# Altium PCB CHILD_BOARD.PcbDoc (part 1 of 2) (continued)
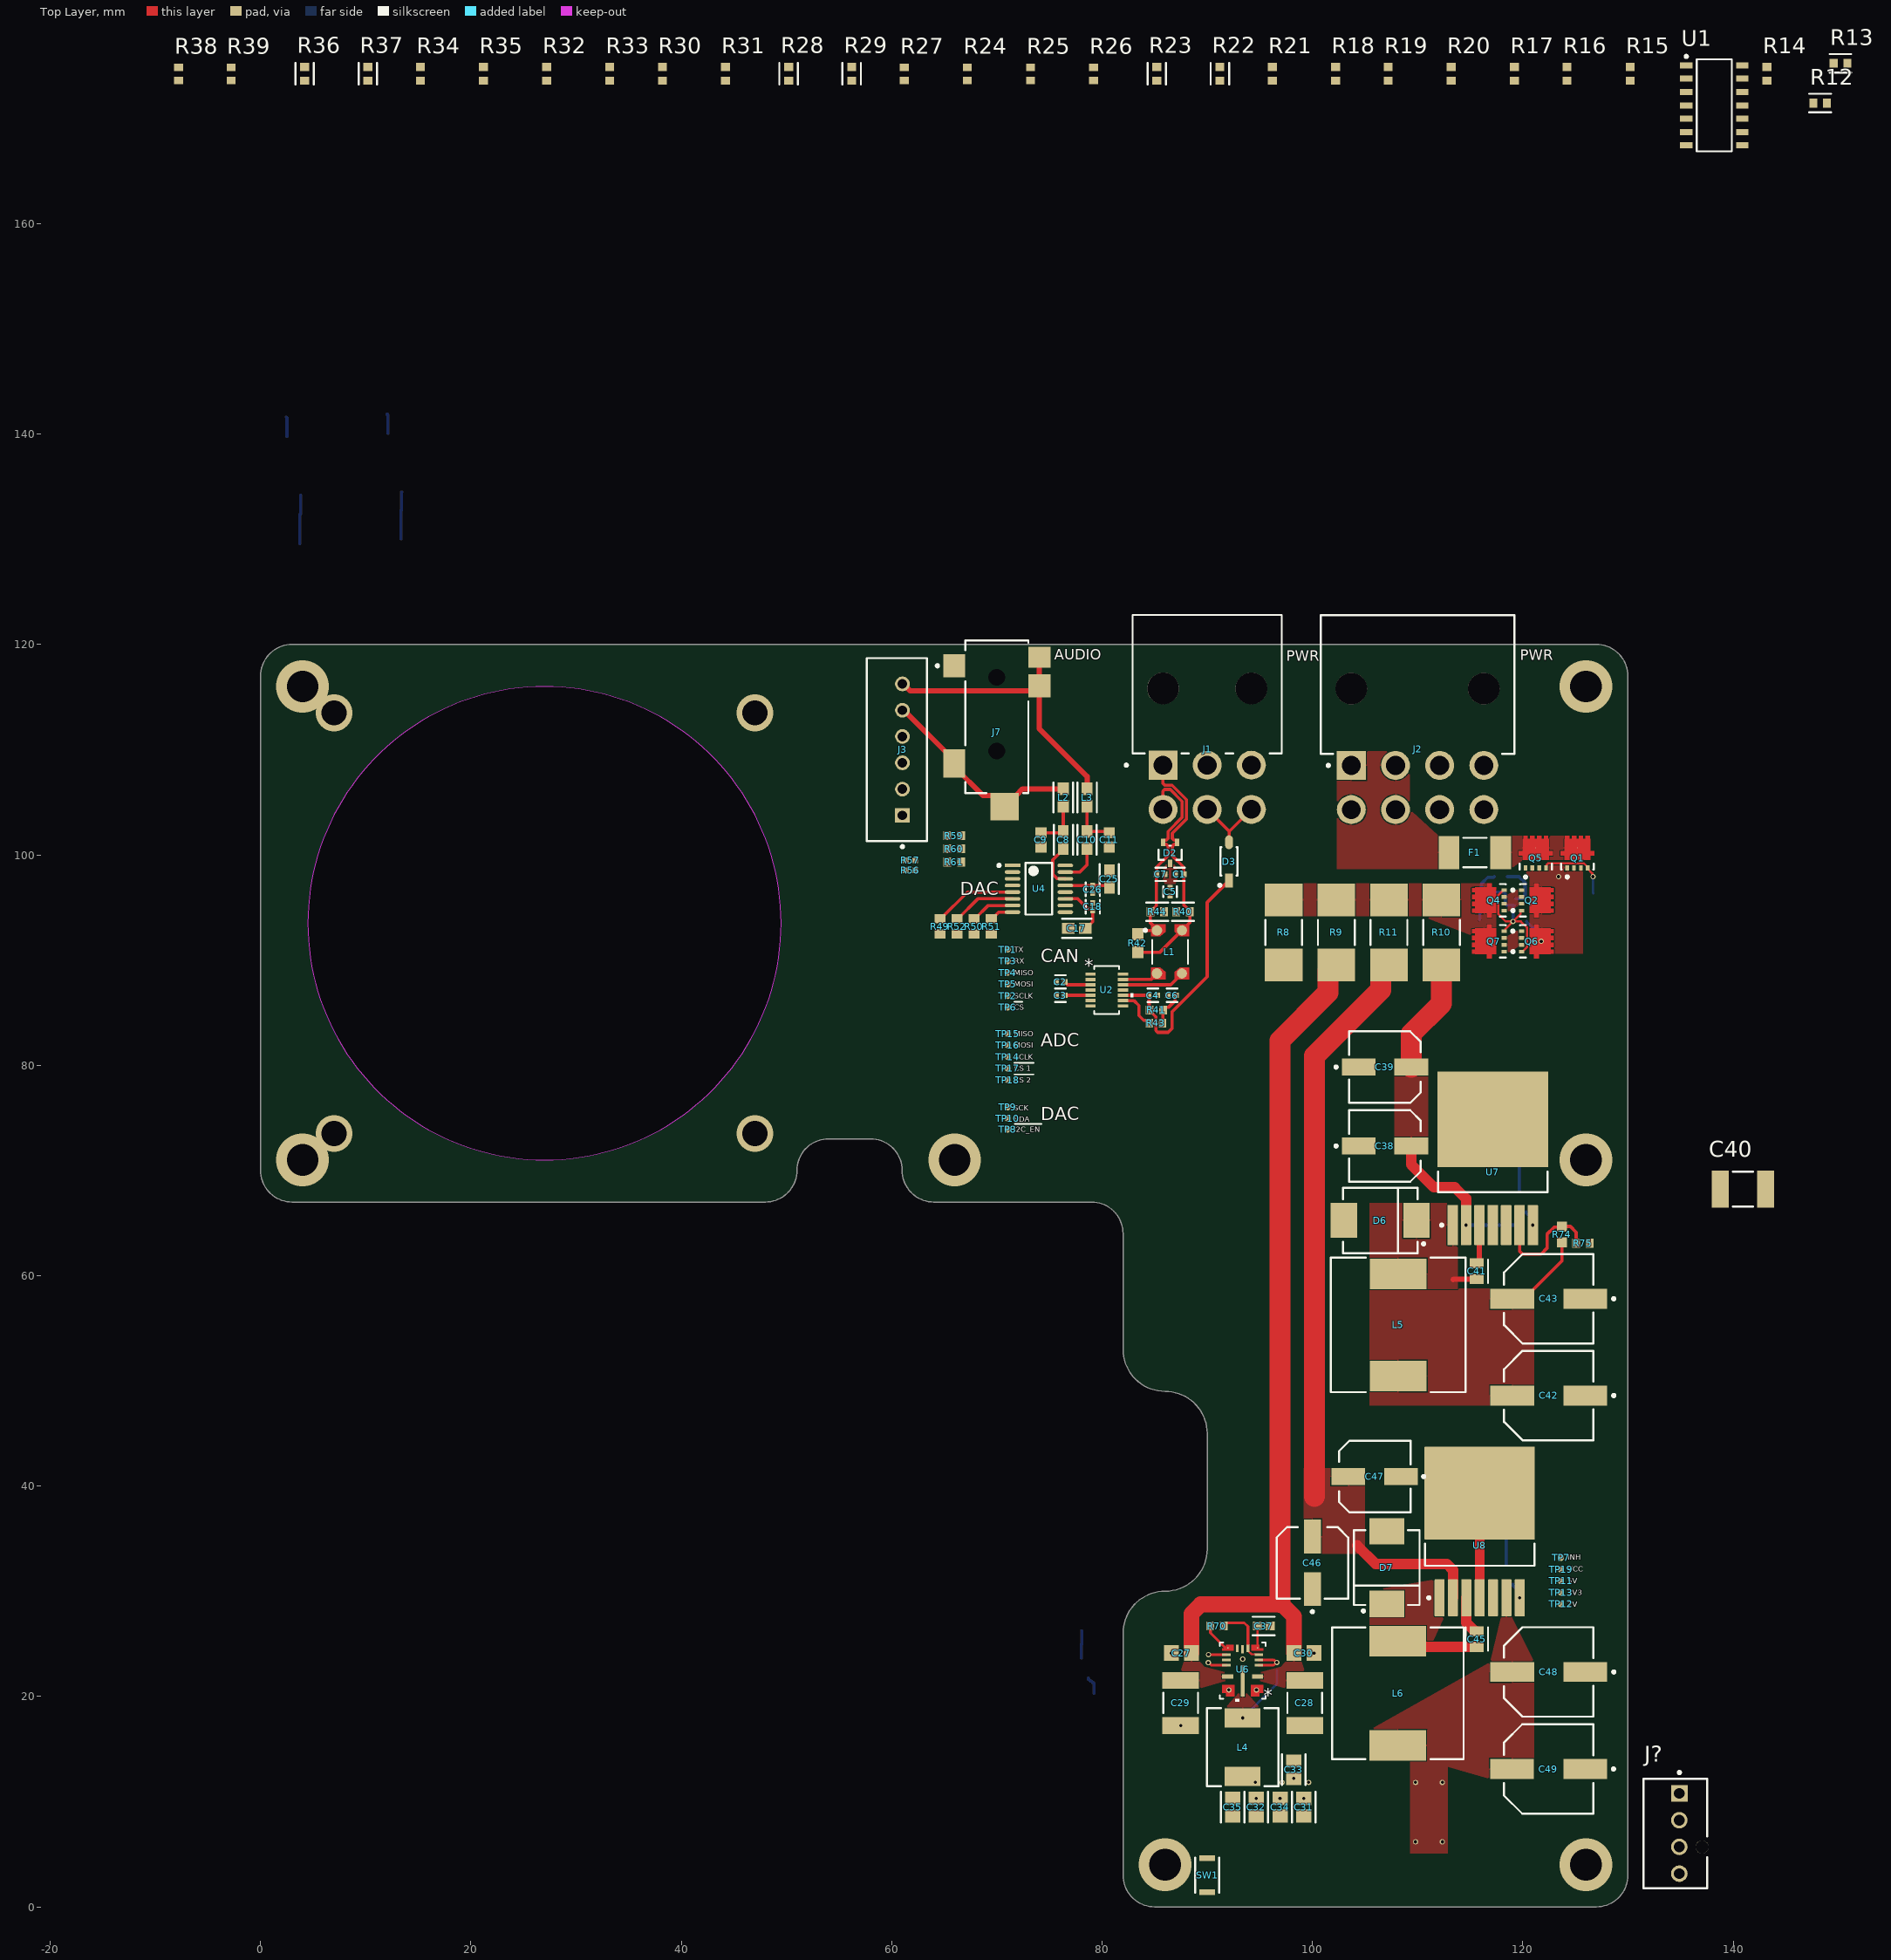
[diagram p0: Top Layer view]
## Components (designator, comment, footprint, x,y, rotation, side; value= is the part's Value field where it differs from the comment) (continued)
R3 "ERJ3EKF1002V" RESC1609X55X30LL15T15 116.525,93.825 r0 bottom
R5 "ERJ3EKF1002V" RESC1609X55X30LL15T15 126.075,96.35 r180 bottom
R6 "ERJ-3EKF1001V" RESC1608X55X30LL15T15 117.925,97.925 r0 bottom
R7 "ERJ3EKF1002V" RESC1609X55X30LL15T15 120.3,97.925 r0 bottom
R8 "MCS3264R010FER" FP-MCS3264-MFG 97.275,92.625 r270 top
R9 "MCS3264R010FER" FP-MCS3264-MFG 102.275,92.625 r270 top
R10 "MCS3264R010FER" FP-MCS3264-MFG 112.275,92.625 r270 top
R11 "MCS3264R010FER" FP-MCS3264-MFG 107.275,92.625 r270 top
R12 "ERJ-3EKF1004V" FP-ERJ3EK-IPC_C 148.275,171.475 r0 top
R13 "ERJ-3EKF1004V" FP-ERJ3EK-IPC_C 150.203,175.249 r0 top
R14 "ERJ3EKF1002V" RESC1609X55X30LL15T15 143.203,174.249 r90 top
R15 "ERJ3EKF1002V" RESC1609X55X30LL15T15 130.203,174.249 r90 top
R16 "ERJ3EKF1002V" RESC1609X55X30LL15T15 124.203,174.249 r90 top
R17 "ERJ3EKF1002V" RESC1609X55X30LL15T15 119.203,174.249 r90 top
R18 "ERJ3EKF1002V" RESC1609X55X30LL15T15 102.203,174.249 r90 top
R19 "ERJ3EKF1002V" RESC1609X55X30LL15T15 107.203,174.249 r90 top
R20 "ERJ3EKF1002V" RESC1609X55X30LL15T15 113.203,174.249 r90 top
R21 "ERJ3EKF1002V" RESC1609X55X30LL15T15 96.203,174.249 r90 top
R22 "ERJ-3EKF1004V" FP-ERJ3EK-IPC_C 91.203,174.249 r90 top
R23 "ERJ-3EKF1004V" FP-ERJ3EK-IPC_C 85.203,174.249 r90 top
R24 "ERJ-3EKF1001V" RESC1608X55X30LL15T15 67.203,174.249 r90 top
R25 "ERJ-3EKF1001V" RESC1608X55X30LL15T15 73.203,174.249 r90 top
R26 "ERJ-3EKF1001V" RESC1608X55X30LL15T15 79.203,174.249 r90 top
R27 "ERJ-3EKF1001V" RESC1608X55X30LL15T15 61.203,174.249 r90 top
R28 "ERJ-3EKF1004V" FP-ERJ3EK-IPC_C 50.203,174.249 r90 top
R29 "ERJ-3EKF1004V" FP-ERJ3EK-IPC_C 56.203,174.249 r90 top
R30 "ERJ3EKF1002V" RESC1609X55X30LL15T15 38.203,174.249 r90 top
R31 "ERJ3EKF1002V" RESC1609X55X30LL15T15 44.203,174.249 r90 top
R32 "ERJ3EKF1002V" RESC1609X55X30LL15T15 27.203,174.249 r90 top
R33 "ERJ3EKF1002V" RESC1609X55X30LL15T15 33.203,174.249 r90 top
R34 "ERJ3EKF1002V" RESC1609X55X30LL15T15 15.203,174.249 r90 top
R35 "ERJ3EKF1002V" RESC1609X55X30LL15T15 21.203,174.249 r90 top
R36 "ERJ-3EKF1004V" FP-ERJ3EK-IPC_C 4.203,174.249 r90 top
R37 "ERJ-3EKF1004V" FP-ERJ3EK-IPC_C 10.203,174.249 r90 top
R38 "ERJ-3EKF1001V" RESC1608X55X30LL15T15 -7.797,174.249 r90 top
R39 "ERJ-3EKF1001V" RESC1608X55X30LL15T15 -2.797,174.249 r90 top
R40 "ERJ-3EKF60R4V" FP-ERJ3EK-IPC_C 87.7,94.6 r180 top
R41 "ERJ3EKF1002V" RESC1609X55X30LL15T15 85.175,85.25 r0 top
R42 "ERJ-3EKF1200V" RESC1609X55X30ML15T15 83.4,91.6 r90 top
R43 "ERJ-3EKF1001V" RESC1608X55X30LL15T15 85.125,84 r0 top
R44 "ERJ-3EKF60R4V" FP-ERJ3EK-IPC_C 85.25,94.6 r180 top
R49 "ERJ-3EKF49R9V" RESC1608X55X30ML15T15 64.596,93.2 r270 top
R50 "ERJ-3EKF49R9V" RESC1608X55X30ML15T15 67.85,93.2 r270 top
R51 "ERJ-3EKF49R9V" RESC1608X55X30ML15T15 69.475,93.2 r270 top
R52 "ERJ-3EKF49R9V" RESC1608X55X30ML15T15 66.225,93.2 r270 top
R56 "0402 JUMPER 0 OHM" RESC1005X40X25NL05T05 61.8,98.525 r180 top
R57 "0402 JUMPER 0 OHM" RESC1005X40X25NL05T05 61.8,99.475 r180 top
R59 "ERJ3EKF1002V" RESC1609X55X30LL15T15 65.95,101.825 r180 top
R60 "ERJ3EKF1002V" RESC1609X55X30LL15T15 65.95,100.575 r180 top
R61 "ERJ3EKF1002V" RESC1609X55X30LL15T15 65.95,99.325 r180 top
R65 "ERJ-3EKF1003V" RESC1608X55X30ML15T15 10.15,149.005 r180 bottom
R66 "ERJ-3EKF1003V" RESC1608X55X30ML15T15 13.1,149.005 r180 bottom
R67 "ERJ3EKF1002V" RESC1609X55X30LL15T15 78.575,20.3 r180 bottom
R68 "ERJ-3EKF1001V" RESC1608X55X30LL15T15 78.7,26.22 r180 bottom
R69 "ERJ3EKF1002V" RESC1609X55X30LL15T15 78.7,24.92 r180 bottom
R70 "ERJ3EKF1002V" RESC1609X55X30LL15T15 90.925,26.7 r0 top
R71 "ERJ3EKF1002V" RESC1609X55X30LL15T15 10.575,151.45 r0 bottom
R72 "ERJ3EKF1002V" RESC1609X55X30LL15T15 12.926,151.447 r180 bottom
R73 "ERJ3EKF1002V" RESC1609X55X30LL15T15 120.31,64.8 r180 bottom
R74 "ERJ-3EKF6801V" RESC1609X55X30NL15T15 123.725,63.925 r270 top
R75 "ERJ3EKF1002V" RESC1609X55X30LL15T15 125.725,63.075 r180 top
R76 "ERJ3EKF1002V" RESC1609X55X30LL15T15 10.85,155.025 r180 bottom
R77 "ERJ3EKF1002V" RESC1609X55X30LL15T15 119.063,29.374 r180 bottom
R78 "ERJ3EKF56R0V" RESC1608X55X30NL15T15 14.025,130.025 r180 bottom
R79 "ERJ3EKF56R0V" RESC1608X55X30NL15T15 4.425,129.6 r180 bottom
R80 "ERJ-3EKF1001V" RESC1608X55X30LL15T15 120.31,70.55 r180 bottom
R81 "ERJ3EKF1002V" RESC1609X55X30LL15T15 120.31,69.25 r180 bottom
R82 "ERJ-3EKF1001V" RESC1608X55X30LL15T15 119.063,35.149 r180 bottom
R83 "ERJ3EKF1002V" RESC1609X55X30LL15T15 119.063,33.824 r180 bottom
R84 "ERT-J1VR103J" RESC1608X90X30ML15T20 -16.175,111.375 r180 bottom
R85 "ERT-J1VR103J" RESC1608X90X30ML15T20 -16.575,107.775 r180 bottom
R86 "ERT-J1VR103J" RESC1608X90X30ML15T20 -16.326,102.878 r180 bottom
R87 "ERJ-3EKF1001V" RESC1608X55X30LL15T15 -12.674,111.397 r180 bottom
R88 "ERJ-3EKF1001V" RESC1608X55X30LL15T15 -13.449,107.847 r180 bottom
R89 "ERJ-3EKF1001V" RESC1608X55X30LL15T15 -13.6,103.05 r180 bottom
R90 "ERT-J1VR103J" RESC1608X90X30ML15T20 -15.075,121.45 r180 bottom
R92 "ERJ-3EKF1001V" RESC1608X55X30LL15T15 -12.55,121.25 r180 bottom
R94 "ERJ3EKF1002V" RESC1609X55X30LL15T15 89.475,24.2 r180 bottom
SW1 "KXT331LHS" FP-KXT331LHS-MFG 90,3 r90 top
TP1 "TPAD6R" TP06R 71.025,91 r90 top
TP2 "TPAD6R" TP06R 71.025,86.6 r90 top
TP3 "TPAD6R" TP06R 71.025,89.9 r90 top
TP4 "TPAD6R" TP06R 71.025,88.8 r90 top
TP5 "TPAD6R" TP06R 71.025,87.7 r90 top
TP6 "TPAD6R" TP06R 71.025,85.5 r90 top
TP7 "TPAD6R" TP06R 123.625,33.175 r90 top
TP8 "TPAD6R" TP06R 71.025,73.9 r180 top
TP9 "TPAD6R" TP06R 71.025,76 r180 top
TP10 "TPAD6R" TP06R 71.025,74.95 r180 top
TP11 "TPAD6R" TP06R 123.625,30.975 r90 top
TP12 "TPAD6R" TP06R 123.625,28.775 r90 top
TP13 "TPAD6R" TP06R 123.625,29.875 r90 top
TP14 "TPAD6R" TP06R 71.025,80.8 r90 top
TP15 "TPAD6R" TP06R 71.025,83 r90 top
TP16 "TPAD6R" TP06R 71.025,81.9 r90 top
TP17 "TPAD6R" TP06R 71.025,79.7 r90 top
TP18 "TPAD6R" TP06R 71.025,78.6 r90 top
TP19 "TPAD6R" TP06R 123.625,32.075 r90 top
U1 "LM324DR2G" ONSC-SOIC-14-751A-03_V 138.203,171.249 r0 top
U2 "TCAN1146DYYRQ1" TCAN1146DYYRQ1-Footprint-1 80.45,87.15 r0 top
U4 "PCM1780DBQR" FP-DBQ0016A-IPC_C 74.002,96.774 r0 top
U6 "LM61495Q5RPHRQ1" LM61495Q5RPHRQ1-Footprint-1 93.372,22.451 r180 top
U7 "LM2677S-ADJ" KTW0007B_M 117.15,71.15 r90 top
U8 "LM2678S-3.3/NOPB" KTW0007B_N 115.903,35.674 r90 top
U9 "ADC088S022CIMT/NOPB" MTC16_L 13.75,137.275 r270 bottom
U10 "ADC088S022CIMT/NOPB" MTC16_L 4.151,137.001 r270 bottom

## Footprints (in the part's own frame and the unit in brackets; to place one, negate y for a bottom-side part, rotate by r counter-clockwise, add the part's x,y. Pads: shape width x height; smd on the part's side, far side on the other; paste and mask are expansions set on the pad)
CAPC1608X90X40ML10T20 [mm] "Chip Capacitor, 2-Leads, Body 1.7x0.9mm, IPC Low Density"
  rect 1.05x1.05 smd: 1(-0.675,0) 2(0.675,0)
  body extent -0.85,-0.45 0.85,0.45, height 0.9
CAPC1812(4532)125_M [mm] "Chip Capacitor, Body 4.5x3.2mm, Height 1.25mm, IPC Low Density"
  rect 1.6x3.5 smd: 1(-2.15,0) 2(2.15,0)
  silkscreen extent -0.95,-1.65 0.95,1.65, body extent -2.4,-1.7 2.4,1.7, height 1.25
CAPC2013X95X45ML10T25 [mm] "Chip Capacitor, 2-Leads, Body 2.00x1.25mm, IPC Low Density"
  rect 1.4x1.5 smd: 1(-0.95,0) 2(0.95,0)
  body extent -1.05,-0.67 1.05,0.67, height 0.95
DIOD-SOT323-3_V [mm] "SOT323, 3-Leads, Body 2.2x1.35mm, Pitch 0.65mm"
  rect 0.9x0.7 smd: 1(-0.95,0.65) 2(-0.95,-0.65) 3(0.95,0)
  silkscreen extent -1.07,-1.1 0.67,1.67, body extent -1.1,-1.1 1.1,1.1, height 1.07
FP-0603-L_1_6_0_15-W_0_8-IPC_C [mm]
  rect 0.858x0.862 smd paste+0 mask+0: 1(-0.602,0) 2(0.602,0)
  silkscreen extent -1.03,-0.87 1.03,0.87, body extent -0.8,-0.4 0.8,0.4, height 0.95
FP-0679L-MFG [mm]
  rect 1.96x3.15 smd paste+0 mask+0: 1(-2.455,0) 2(2.455,0)
  silkscreen extent -1.1,-1.4 1.1,1.4, body extent -3.53,-1.68 3.53,1.68, height 0.25
FP-45586-0005-MFG [mm]
  rect 2.75x2.75 hole 1.8 paste-2539.97 mask+0: 1(-6.3,-7.5)
  round 2.75 hole 1.8 paste-2539.97 mask+0: 2(-2.1,-7.5) 3(2.1,-7.5) 4(6.3,-7.5) 5(-6.3,-11.7) 6(-2.1,-11.7) 7(2.1,-11.7) 8(6.3,-11.7)
  round 3 hole 3 unplated paste-2539.97 mask+0: ""(-6.3,-0.2) ""(6.3,-0.2)
  silkscreen extent -9.19,-7.62 9.19,6.78, body extent -9.29,-13.18 9.29,6.88, height 0.25
FP-455580003-MFG [mm]
  rect 2.75x2.75 hole 1.8 paste-2539.97 mask+0: 1(-4.2,-7.5)
  round 2.75 hole 1.8 paste-2539.97 mask+0: 2(0,-7.5) 3(4.2,-7.5) 4(-4.2,-11.7) 5(0,-11.7) 6(4.2,-11.7)
  round 3 hole 3 unplated paste-2539.97 mask+0: ""(-4.2,-0.2) ""(4.2,-0.2)
  silkscreen extent -7.81,-7.62 7.09,6.78, body extent -7.19,-13.18 7.19,6.88, height 0.25
FP-470531000-MFG [mm]
  rect 1.57x1.57 hole 1.02 paste-2539.97 mask+0: 1(3.81,-0.38)
  round 1.57 hole 1.02 paste-2539.97 mask+0: 2(1.27,-0.38) 3(-1.27,-0.38) 4(-3.81,-0.38)
  round 1.25 hole 1.25 unplated paste-2539.97 mask+0: ""(-1.27,-2.54)
  silkscreen extent -5.2,-3.02 5.92,3.02, body extent -5.3,-3.26 5.3,3.12, height 0.25
FP-B6B-XH-A_LF_SN-MFG [mm]
  rect 1.4x1.4 hole 0.9 paste-2539.97 mask+0: 1(-6.25,-0.525)
  round 1.4 hole 0.9 paste-2539.97 mask+0: 2(-3.75,-0.525) 3(-1.25,-0.525) 4(1.25,-0.525) 5(3.75,-0.525) 6(6.25,-0.525)
  silkscreen extent -9.35,-2.88 8.7,2.88, body extent -8.8,-2.98 8.8,2.98, height 0.25
FP-C0402-BB-MFG [mm]
  rect 0.52x0.52 smd paste+0 mask+0: 1(-0.4,0) 2(0.4,0)
  silkscreen extent -0.5,-0.64 0.5,0.64, body extent -0.8,-0.4 0.8,0.4, height 0.25
FP-C0805C-DN-MFG [mm]
  rect 0.95x1.35 smd paste+0 mask+0: 1(-0.75,0) 2(0.75,0)
  silkscreen extent -1.1,-1.07 1.1,1.07, body extent -1.4,-0.85 1.4,0.85, height 0.25
FP-C1005-050-0_05-IPC_C [mm]
  rect 0.539x0.472 smd paste+0 mask+0: 1(-0.367,0) 2(0.367,0)
  silkscreen extent -0.64,-0.67 0.64,0.67, body extent -0.74,-0.38 0.74,0.38, height 0.25
FP-DBQ0016A-IPC_C [mil]
  rect 58.26x13.56 smd paste+0 mask+0: 1(-98.75,87.5)
  rrect100% 58.26x13.56 smd paste+0 mask+0: 2(-98.75,62.5) 3(-98.75,37.5) 4(-98.75,12.5) 5(-98.75,-12.5) 6(-98.75,-37.5) 7(-98.75,-62.5) 8(-98.75,-87.5) 9(98.75,-87.5) 10(98.75,-62.5) 11(98.75,-37.5) 12(98.75,-12.5) 13(98.75,12.5) 14(98.75,37.5) 15(98.75,62.5) 16(98.75,87.5)
  silkscreen extent -154,-97 50,97, body extent -132,-100 132,100, height 10
FP-EEH-D8-MFG [mm]
  rect 3.2x1.6 smd paste+0 mask+0: 1(-2.5,0) 2(2.5,0)
  silkscreen extent -4.77,-3.4 3.4,3.4, body extent -4.35,-3.65 4.35,3.65, height 0.25
FP-ERJ3EK-IPC_C [mm]
  rect 0.757x0.862 smd paste+0 mask+0: 1(-0.651,0) 2(0.651,0)
  silkscreen extent -1.03,-0.87 1.03,0.87, body extent -1.13,-0.58 1.13,0.58, height 0.25
FP-GRM21B-0_2-e0_2_0_7-IPC_B [mm]
  rect 1.255x1.456 smd paste+0 mask+0: 1(-0.826,0) 2(0.826,0)
  silkscreen extent -1.45,-1.13 1.45,1.13, body extent -1.7,-0.98 1.7,0.98, height 0.25
FP-GRM188-0_1-e0_2_0_55-IPC_A [mm]
  rect 1.208x1.012 smd paste+0 mask+0: 1(-0.802,0) 2(0.802,0)
  silkscreen extent -1.41,-0.91 1.41,0.91, body extent -1.91,-1.01 1.91,1.01, height 0.25
FP-KXT331LHS-MFG [mm]
  rect 0.55x1.5 smd paste+0 mask+0: 1(-1.625,0) 2(1.625,0)
  silkscreen extent -1.65,-1.15 1.65,1.15, body extent -2,-1.25 2,1.25, height 0.25
FP-LQG18HH_00-IPC_A [mm]
  rect 1.206x1.058 smd paste+0 mask+0: 1(-0.826,0) 2(0.826,0)
  silkscreen extent -1.43,-0.93 1.43,0.93, body extent -1.93,-1.03 1.93,1.03, height 0.25
FP-MCS3264-MFG [mm]
  rect 3.1x3.57 smd paste+0 mask+0: 1(-3.1,0) 2(3.1,0)
  silkscreen extent -1.17,-1.75 1.17,1.75, body extent -4.75,-1.89 4.75,1.89, height 0.25
FP-OS-CON-SMT-E7-MFG [mm]
  rect 4.15x1.9 smd paste+0 mask+0: 1(-3.475,0) 2(3.475,0)
  silkscreen extent -6.3,-4.25 4.25,4.25, body extent -5.8,-4.5 5.8,4.5, height 0.25
FP-SMC-MFG [mm]
  rect 2.5x3.3 smd paste+0 mask+0: 1(-3.45,0) 2(3.45,0)
  silkscreen extent -4.25,-3.11 3.55,3.11, body extent -4.8,-3.21 4.8,3.21, height 0.25
FP-SOD-123-IPC_A [mm]
  rect 1.308x0.762 smd paste+0 mask+0: 1(-1.825,0)
  rrect100% 1.308x0.762 smd paste+0 mask+0: 2(1.825,0)
  silkscreen extent -2.39,-0.8 1.35,1.01, body extent -2.98,-1.3 2.98,1.3, height 0.25
FP-SOT323-3L-MFG [mm]
  rect 0.7x0.42 smd paste+0 mask+0: 1(-1,0.65) 2(-1,-0.65) 3(1,0)
  silkscreen extent -0.67,-1.1 0.67,1.1, body extent -1.45,-1.2 1.45,1.2, height 0.25
FP-SPM6530-MFG [mm]
  rect 1.85x3.4 smd paste+0 mask+0: 1(-2.775,0) 2(2.775,0)
  silkscreen extent -3.7,-3.4 3.7,3.4, body extent -3.8,-3.5 3.8,3.5, height 0.25
FP-SRF4532-MFG [mm]
  round 0.99 smd paste+0 mask+0: 1(-2.05,-1.25) 2(2.05,-1.25)
  round 0.97 smd paste+0 mask+0: 3(2.05,1.125) 4(-2.05,1.125)
  Top Layer region: -2.6,0.45 -2.6,1.8 -1.5,1.8 -1.5,0.95 -1.9,0.45
  Top Layer region: 1.5,1.8 2.6,1.8 2.6,0.45 1.9,0.45 1.5,0.95
  Top Layer region: 1.5,-1.8 1.5,-0.95 1.9,-0.45 2.6,-0.45 2.6,-1.8
  Top Layer region: -2.6,-1.8 -2.6,-0.45 -1.9,-0.45 -1.5,-0.95 -1.5,-1.8
  silkscreen extent -2.17,-2.47 1.12,1.7, body extent -2.7,-1.9 2.7,1.9, height 0.25
FP-SRR1260-MFG [mm]
  rect 2.9x5.4 smd paste+0 mask+0: 1(-4.85,0) 2(4.85,0)
  silkscreen extent -6.4,-6.4 6.4,6.4, body extent -6.5,-6.5 6.5,6.5, height 0.25
FP-SSOP6-P-0_65A-MFG [mm]
  rect 0.8x0.4 smd paste+0 mask+0: 1(-0.95,0.65) 2(-0.95,0) 3(-0.95,-0.65) 4(0.95,-0.65) 5(0.95,0) 6(0.95,0.65)
  silkscreen extent -2.05,-1.1 0.18,1.1, body extent -1.05,-1 1.05,1, height 1
KTW0007B_M [mm] "DPAK, 7-Leads, Body 9.4x10.4mm, Pitch 1.27mm, IPC Low Density"
  rrect10% 3.8x1 smd: 1(-6.35,3.81) 2(-6.35,2.54) 3(-6.35,1.27) 4(-6.35,0) 5(-6.35,-1.27) 6(-6.35,-2.54) 7(-6.35,-3.81)
  rrect1% 9.1x10.55 smd: 8(3.7,0)
  silkscreen extent -6.47,-5.2 -1.25,5.2, body extent -3.2,-5.2 6.2,5.2, height 4.65
KTW0007B_N [mm] "DPAK, 7-Leads, Body 9.4x10.4mm, Pitch 1.27mm, IPC Medium Density"
  rrect11% 3.5x0.95 smd: 1(-6.3,3.81) 2(-6.3,2.54) 3(-6.3,1.27) 4(-6.3,0) 5(-6.3,-1.27) 6(-6.3,-2.54) 7(-6.3,-3.81)
  rrect1% 8.8x10.5 smd: 8(3.65,0)
  silkscreen extent -6.42,-5.2 -1.15,5.2, body extent -3.25,-5.2 6.15,5.2, height 4.65
LM61495Q5RPHRQ1-Footprint-1 [mil]
  rect 5x5 smd paste-2.5 mask-2.5: 1(-54.13,74.8) 6(-55.12,-85.63) 10(55.12,-85.63) 15(54.13,74.8)
  rect 42x16 smd paste-21 mask-21: 2(-55.63,21.65) 14(55.63,21.65)
  rect 32x10 smd paste-5 mask+0: 3(-60.55,-20.67) 4(-60.55,-40.35) 5(-60.55,-60.04) 11(60.55,-60.04) 12(60.55,-40.35) 13(60.55,-20.67)
  rect 10x27 smd paste-13.5 mask-13.5: 7(-19.69,-83.19) 9(19.68,-83.19)
  rect 10x32 smd paste-5 mask+0: 8(0,-80.24)
  rect 14x117 smd paste-58.5 mask-58.5: 16(0,37.91)
  Top Layer region: -31.63,96.3 -31.63,53.3 -76.63,53.3 -76.63,83.3 -62.55,83.3 -62.55,96.3
  Top Layer region: 31.63,96.3 31.63,53.3 76.63,53.3 76.63,83.3 62.55,83.3 62.55,96.3
  Top Layer region: -33.62,-96.63 -33.62,-74.63 -76.62,-74.63 -76.62,-82.63 -62.62,-82.63 -62.62,-96.63
  Top Layer region: 33.62,-96.63 33.62,-74.63 76.62,-74.63 76.62,-82.63 62.62,-82.63 62.62,-96.63
  silkscreen extent -86,-106 86,116
MTC16_L [mm] "TSOP, 16-Leads, Body 5x4.4mm, Pitch 0.65mm, IPC High Density"
  oval 1.4x0.35 smd: 1(-2.8,2.275) 2(-2.8,1.625) 3(-2.8,0.975) 4(-2.8,0.325) 5(-2.8,-0.325) 6(-2.8,-0.975) 7(-2.8,-1.625) 8(-2.8,-2.275) 9(2.8,-2.275) 10(2.8,-1.625) 11(2.8,-0.975) 12(2.8,-0.325) 13(2.8,0.325) 14(2.8,0.975) 15(2.8,1.625) 16(2.8,2.275)
  silkscreen extent -2.92,-2.55 1.7,3.12, body extent -2.25,-2.55 2.25,2.55, height 1.1
ONSC-SOD-123-2-425-04_V [mm] "SOD, 2-Leads, Body 2.69x1.6mm"
  rect 0.91x1.22 smd: 1(-1.635,0) 2(1.635,0)
  silkscreen extent -1.76,-0.8 0.78,1.28, body extent -1.35,-0.8 1.35,0.8, height 1.35
ONSC-SOIC-14-751A-03_V [mm] "SOIC, 14-Leads, Body 8.75x4mm, Pitch 1.27mm"
  rect 1.18x0.58 smd: 1(-2.66,3.81) 2(-2.66,2.54) 3(-2.66,1.27) 4(-2.66,0) 5(-2.66,-1.27) 6(-2.66,-2.54) 7(-2.66,-3.81) 8(2.66,-3.81) 9(2.66,-2.54) 10(2.66,-1.27) 11(2.66,0) 12(2.66,1.27) 13(2.66,2.54) 14(2.66,3.81)
  silkscreen extent -2.78,-4.38 1.67,4.77, body extent -2,-4.38 2,4.38, height 1.75
RESC1005X40X25NL05T05 [mm] "Chip Resistor, 2-Leads, Body 1.00x0.50mm, IPC Medium Density"
  rect 0.55x0.55 smd: 1(-0.45,0) 2(0.45,0)
  body extent -0.53,-0.27 0.53,0.28, height 0.4
RESC1608X55X30LL15T15 [mm] "Chip Resistor, 2-Leads, Body 1.60x0.80mm, IPC High Density"
  rect 0.7x0.85 smd: 1(-0.625,0) 2(0.625,0)
  body extent -0.87,-0.48 0.87,0.48, height 0.55
RESC1608X55X30ML15T15 [mm] "Chip Resistor, 2-Leads, Body 1.60x0.80mm, IPC Low Density"
  rect 0.9x1.05 smd: 1(-0.725,0) 2(0.725,0)
  body extent -0.87,-0.48 0.87,0.48, height 0.55
RESC1608X55X30NL15T15 [mm] "Chip Resistor, 2-Leads, Body 1.60x0.80mm, IPC Medium Density"
  rect 0.8x0.95 smd: 1(-0.675,0) 2(0.675,0)
  body extent -0.87,-0.48 0.87,0.48, height 0.55
RESC1608X90X30ML15T20 [mm] "Chip Resistor, 2-Leads, Body 1.60x0.80mm, IPC Low Density"
  rect 0.95x1.05 smd: 1(-0.7,0) 2(0.7,0)
  body extent -0.88,-0.48 0.87,0.48, height 0.9
RESC1609X55X30LL15T15 [mm] "Chip Resistor, 2-Leads, Body 1.75x0.95mm, IPC High Density"
  rect 0.75x0.85 smd: 1(-0.65,0) 2(0.65,0)
  body extent -0.87,-0.48 0.87,0.48, height 0.55
RESC1609X55X30ML15T15 [mm] "Chip Resistor, 2-Leads, Body 1.75x0.95mm, IPC Low Density"
  rect 1.15x1.05 smd: 1(-0.85,0) 2(0.85,0)
  body extent -0.87,-0.48 0.87,0.48, height 0.55
RESC1609X55X30NL15T15 [mm] "Chip Resistor, 2-Leads, Body 1.75x0.95mm, IPC Medium Density"
  rect 0.95x0.95 smd: 1(-0.75,0) 2(0.75,0)
  body extent -0.87,-0.48 0.87,0.48, height 0.55
SISH615ADN-T1-GE3-Footprint-1 [mm]
  rect 0.35x0.5 smd paste+0 mask+0: 1(-0.937,-1.4) 2(-0.288,-1.4) 3(0.363,-1.4) 4(1.012,-1.4)
  round 0.025 smd: 5-6-7-8(0.038,0.51)
  Top Layer region: -1.187,-0.63 -1.187,-0.215 -1.568,-0.215 -1.568,0.215 -1.187,0.215 -1.187,1.35 -1.137,1.35 -1.137,1.65 -0.737,1.65 -0.737,1.35 -0.487,1.35 -0.487,1.65 -0.088,1.65 -0.088,1.35 0.163,1.35 0.163,1.65 0.563,1.65 0.563,1.35 0.813,1.35 0.813,1.65 1.212,1.65 1.212,1.35 1.262,1.35 1.262,0.215 1.643,0.215 1.643,-0.215 1.262,-0.215 1.262,-0.63
  silkscreen extent -1.51,-2.37 1.59,-1.01, body extent -1.67,-1.75 1.74,1.75, height 0.25
SMTC-SSM-110-X-DV [mm] "C.L. Double Vertical SMT Socket Strip, 2x10 Pins, 2.54mm Pitch, Female"
  rect 1.02x2.22 smd: 1(-11.43,2.825) 2(-11.43,-2.825) 3(-8.89,2.825) 4(-8.89,-2.825) 5(-6.35,2.825) 6(-6.35,-2.825) 7(-3.81,2.825) 8(-3.81,-2.825) 9(-1.27,2.825) 10(-1.27,-2.825) 11(1.27,2.825) 12(1.27,-2.825) 13(3.81,2.825) 14(3.81,-2.825) 15(6.35,2.825) 16(6.35,-2.825) 17(8.89,2.825) 18(8.89,-2.825) 19(11.43,2.825) 20(11.43,-2.825)
  silkscreen extent -13.46,-2.54 12.83,2.66, body extent -12.7,-3.52 12.7,3.52, height 7.49
SWIT-35RASMT4BHNTRX_V [mm] "Jack, 5-Leads, Body 17x6mm"
  rect 2.2x2.1 smd: 1(-6.3,-4.05) 2(-4.4,4.05)
  rect 2.7x2.1 smd: 3(3,-4.05)
  rect 2x2.1 smd: 4(-7.1,4.05)
  rect 2.6x2.7 smd: 5(7.1,0.75)
  rect 0x0 hole 1.6 unplated: MH(-5.2,0) MH(1.8,0)
  silkscreen extent -8.7,-5.77 5.8,3, body extent -11.2,-3 5.8,3, height 5
TCAN1146DYYRQ1-Footprint-1 [mil]
  rect 38.5x12 smd paste+0 mask+0: 1(-60.75,59.07) 2(-60.75,39.38) 3(-60.75,19.69) 4(-60.75,0) 5(-60.75,-19.69) 6(-60.75,-39.38) 7(-60.75,-59.07) 8(60.75,-59.07) 9(60.75,-39.38) 10(60.75,-19.69) 11(60.75,0) 12(60.75,19.69) 13(60.75,39.38) 14(60.75,59.07)
  silkscreen extent -46,-90 100,90, body extent -66,-84 66,84, height 43
TP06R [mm] "Testpoint, round, d=0.6mm"
  round 0.6 smd paste-1: 1(0,0)
WE-PD-L [mm] "SMD Inductor, 2-Leads, Body 12.0 x 12.0 mm"
  rect 2.9x5.4 smd: 1(-4.95,0) 2(4.95,0)
  silkscreen extent -6.25,-6.25 6.25,6.25, body extent -6,-6 6,6, height 5.98

## Part data
C1 C2 C3 C4 C5 C6 C7 C51 C52 C53 C54 C55 C56: library part CMP-2008-02046-2, "CAP CER 0.1UF 10V X5R 0402", Capacitance="0.10 μF", Manufacturer=Kemet, Package=C0402-BB, Temperature="-55°C to +125°C", Temperature Characteristic=X5R, Temperature Coefficient=15%, Temperature Range High=+125°C, Temperature Range Low=-55°C, Tolerance=0.1, Voltage Rating="10 V", Automotive=No, Category=Cap, ComponentLink2Description=Datasheet, ComponentLink2URL=https://content.kemet.com/datasheets/KEM_C1002_X7R_SMD.pdf, Device Class L1="Passive Components", Device Class L2=Capacitors, Device Class L3="Ceramic Capacitors", Digikey Description="CAP CER 0.1UF 10V X5R 0402", Height=0.55mm, Ipc Land Pattern Name=CAPC10050X50, Lead Free=Yes, Manufacturer Part Number=C0402C104K8PACTU, Material=Ceramic, Mouser Description="Capacitor 100 nF 10 VDC 0402", Octopart=https://octopart.com/c0402c104k8pactu-kemet-140039, RoHS=TRUE
C8 C10 C17 C25: library part CMP-2006-02792-2, "Chip Multilayer Ceramic Capacitors for General Purpose, 0603, 10uF, X5R, 15%, 20%, 6.3V", Capacitance=10uF, Case Code (Imperial)=0603, Case Code (Metric)=1608, Dielectric=X5R, Max Operating Temperature=85°C, Min Operating Temperature=-55°C, Package Quantity=4000, Tolerance=20%, Voltage=6.3V, Case/Package=0603, Depth=0.8mm, Height=0.8mm, Lead Free="Lead Free", Length=1.6mm, Material=Ceramic, Mount="Surface Mount", Packaging="Tape and Reel", Radiation Hardening=No, REACH SVHC="No SVHC", Termination=SMD/SMT, Thickness=0.035inch, Voltage Rating=6.3V, Voltage Rating (DC)=6.3V, Width=0.031inch
C9 C11: library part CMP-001-00087-1, "0pF 0603 capacitor placeholder"
C18 C26 C36: library part CMP-2000-05393-2, "Multilayer Ceramic Capacitors 100nF ±10% 50V X7R SMD 0402", Capacitance=100nF, Case Code (Imperial)=0402, Case Code (Metric)=1005, Dielectric=X7R, Dielectric Material=Ceramic, Max Operating Temperature=125°C, Min Operating Temperature=-55°C, Package Quantity=1, Tolerance=10%, Voltage=50V, Case/Package=0402, Construction=Flat, Depth=0.5mm, Height=0.5mm, Lead Free="Lead Free", Length=1mm, Mount="Surface Mount", Packaging="Tape and Reel", Radiation Hardening=No, REACH SVHC="No SVHC", Resistor Type=Ceramic, RoHS Compliant=Yes, Series=C, Termination=SMD/SMT, Thickness=0.022inch, Voltage Rating=50V, Voltage Rating (DC)=50V, Weight=2.3E-05oz, Width=0.02inch
C27 C30: library part CMP-2007-00182-1, Manufacturer=Murata, Part Number=GRM219R61E106KA12D
C28 C29 C40: library part CMP-1040-01539-1, "CAP 470nF 50V ±10% 1812 (4532 Metric) Thickness 1.25mm SMD", Case-EIA=1812, Case-Metric=4532, Rated Voltage="50 V", Tolerance=Â±10%, Max Thickness="1.25 mm", Technology=SMT
C31 C32 C33 C34 C35: library part CMP-2007-03222-3, "Chip Multilayer Ceramic Capacitors for General Purpose, 0805, 22uF, X5R, 15%, 20%, 25V", Capacitance=22uF, Case Code (Imperial)=0805, Case Code (Metric)=2012, Dielectric=X5R, Max Operating Temperature=85°C, Min Operating Temperature=-55°C, Package Quantity=3000, Resistor Type=Ceramic, Tolerance=20%, Voltage=25V, Case/Package=0805, Depth=1.25mm, Height=1.25mm, Lead Free="Lead Free", Length=2mm, Material=Ceramic, Mount="Surface Mount", Packaging="Tape and Reel", REACH SVHC="No SVHC", Termination=SMD/SMT, Thickness=0.057inch, Voltage Rating=25V, Voltage Rating (DC)=25V, Weight=0.000335oz, Width=1.25mm
C37: library part CMP-2000-07531-4, "Ceramic Capacitor General Use 1uF ±10% 50V X7R 0603", Capacitance=1uF, Case Code (Imperial)=0603, Case Code (Metric)=1608, Dielectric=X7R, Max Operating Temperature=125°C, Min Operating Temperature=-55°C, Package Quantity=1, Tolerance=10%, Voltage Rating=50V, Case/Package=0603, Construction=Flat, Depth=0.8mm, Halogen Free="Halogen Free", Height=0.8mm, Length=1.6mm, Mount="Surface Mount", Packaging="Tape and Reel", Radiation Hardening=No, RoHS Compliant=Yes, Series=M, Termination=SMD/SMT, Thickness=0.037inch, Voltage Rating (DC)=50V, Width=0.031inch
C38 C39 C46 C47: library part CMP-05428-001211-1, "Conductive Polymer Hybrid Aluminum Electrolytic Capacitors 68uF ±20% 35V RADIAL SMT 6.3x7.7mm", Capacitance=68uF, Case/Package=Radial, ESR (Equivalent Series Resistance)=35mR, Leakage Current=23.8uA, Max Operating Temperature=105°C, Min Operating Temperature=-55°C, Package Quantity=900, Ratings=AEC-Q200, Ripple Current=2A, Tolerance=20%, Voltage=35V, Construction=Cylindrical, Diameter=6.3mm, Height=7.7mm, Height - Seated (Max)=0.315inch, Lead Diameter=0.65mm, Lead Free="Lead Free", Lead Pitch=1.8mm, Length=7.7mm, Life (Hours)=5000Hour, Material=Polymer, Mount="Surface Mount", Number of Pins=8, Packaging="Tape and Reel", Polarity=Polar, Radiation Hardening=No, REACH SVHC="No SVHC", Ripple Current (AC)=2A, Series=ZA, Technology=HYBRID, Termination=SMD/SMT, Voltage Rating=35V, Voltage Rating (DC)=35V
C41 C45: library part CMP-2007-00254-2, "CAP CER 10000PF 50V X7R 0805", Capacitance="10,000 pF", Manufacturer=KEMET, Package=C0805C-DN, Temperature="-55°C to +125°C", Temperature Characteristic=X7R, Temperature Coefficient=30ppm/°C, Temperature Range High=+125°C, Temperature Range Low=-55°C, Tolerance=0.05, Voltage Rating="50 V", Automotive=No, Category=Cap, ComponentLink2Description=Datasheet, ComponentLink2URL=https://content.kemet.com/datasheets/KEM_C1003_C0G_SMD.pdf, Device Class L1="Passive Components", Device Class L2=Capacitors, Device Class L3="Ceramic Capacitors", Digikey Description="CAP CER 10000PF 50V X7R 0805", Height=0.88mm, Ipc Land Pattern Name=CAPC200125X78, Lead Free=Yes, Manufacturer Part Number=C0805C103J5RACTU, Material=Ceramic, Mouser Description="Capacitor; Ceramic; Cap 0.01uF; Tol 5%; Vol-Rtg 50 V; SMT; Case 0805; X7R; TR", Octopart=https://octopart.com/c0805c103j5ractu-kemet-133473, RoHS=TRUE